# Altium PCB COEXPIX PCB.PcbDoc (part 1 of 2) (continued)
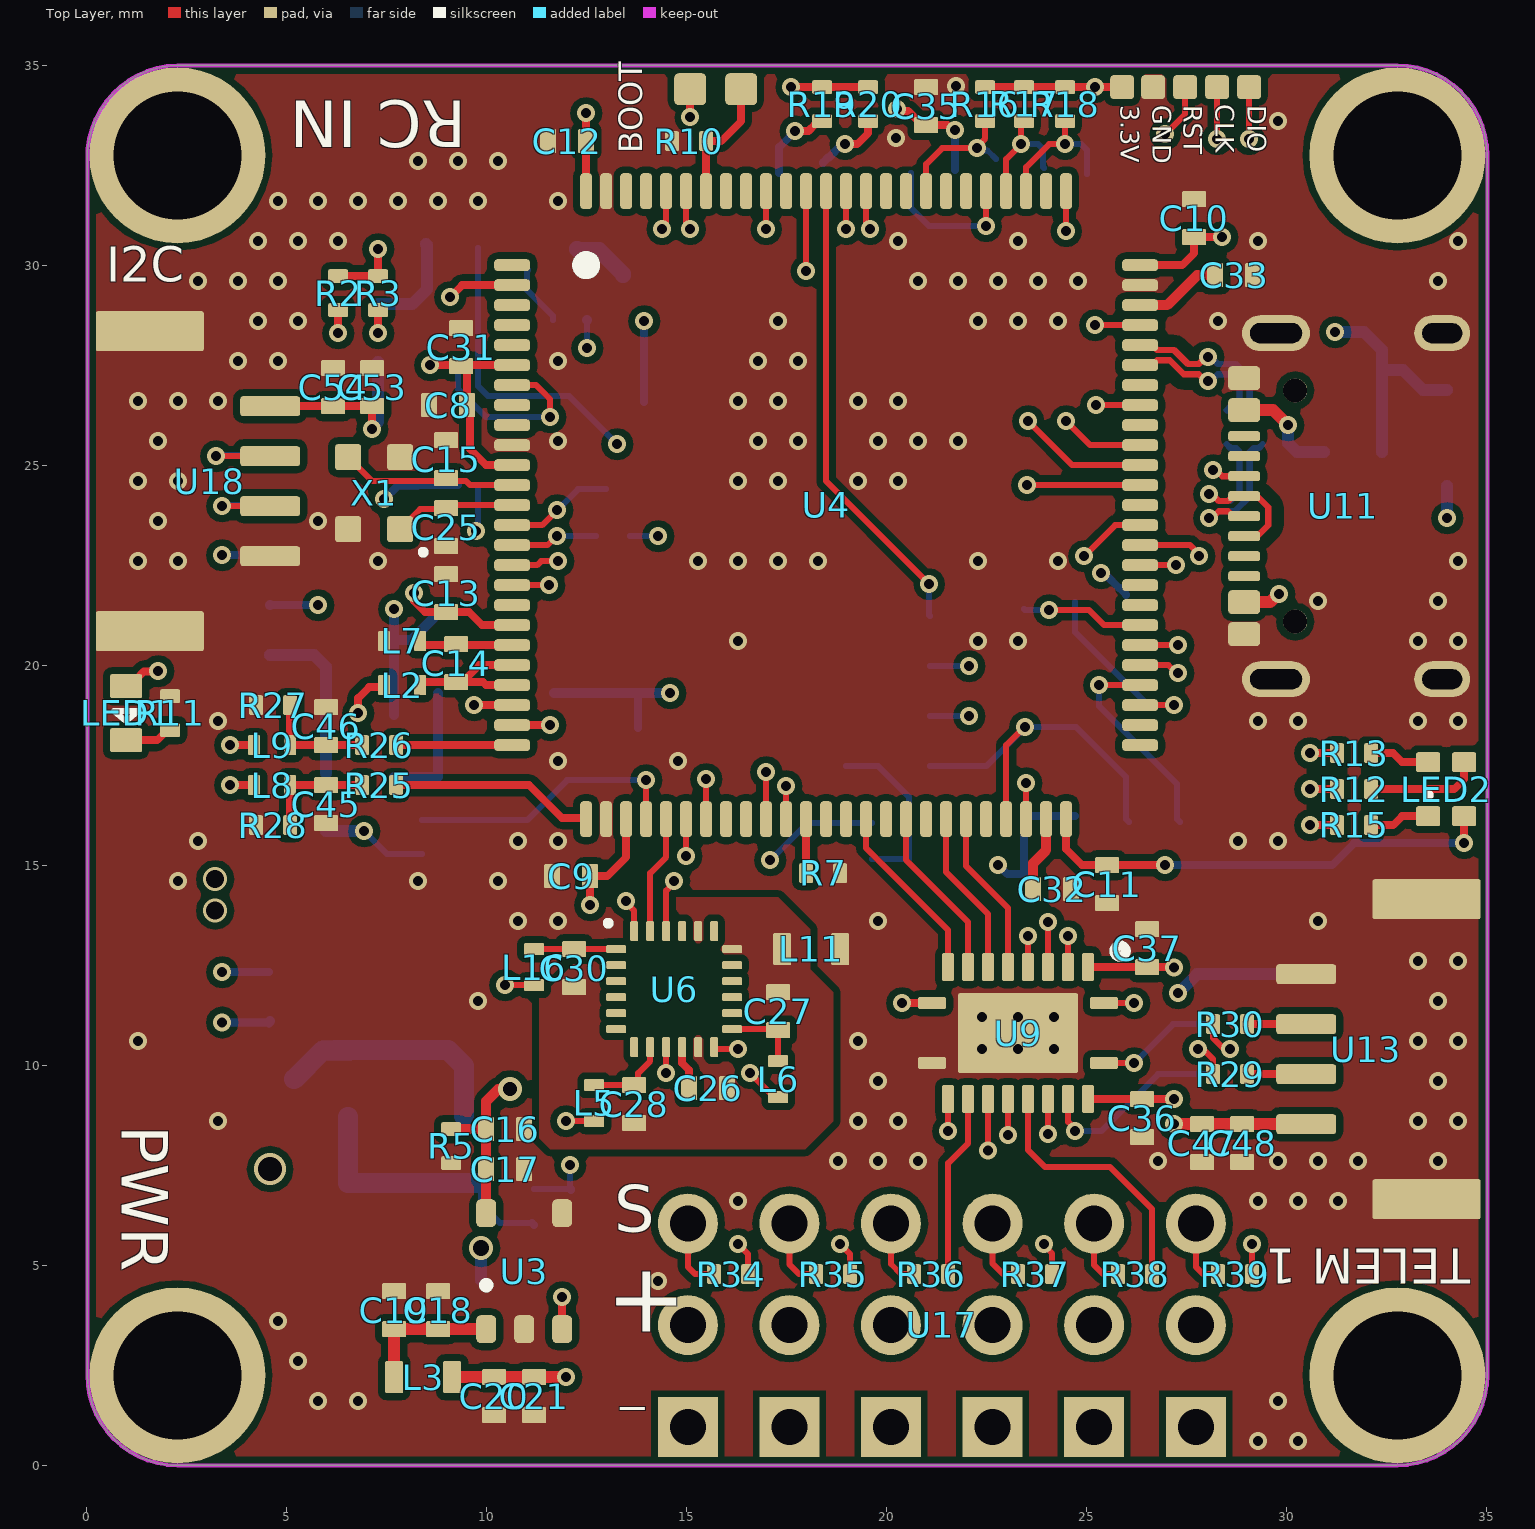
[diagram p0: Top Layer view]
## Design rules (kind name [scope] priority, off if disabled: settings)
Clearance DP [InNetClass('DP')] p1: gap=0.17 ignorepadtopadclearanceinfootprint=FALSE except(0: Arc-Hole Track-Hole SMDPad-Hole THPad-Hole Via-Hole Fill-Hole Poly-Hole Region-Hole Text-Hole; 0.09: Arc-Arc Arc-Track Arc-SMDPad Arc-THPad Track-Track Track-SMDPad Track-THPad SMDPad-SMDPad SMDPad-THPad THPad-THPad; 0.13: Arc-Via Track-Via SMDPad-Via THPad-Via Via-Via; 0.2: Arc-Text Track-Text SMDPad-Text THPad-Text Via-Text Fill-Text Poly-Text Region-Text Text-Text; 0.3: Arc-Fill Arc-Poly Arc-Region Track-Fill Track-Poly Track-Region)
Clearance [All] p2: gap=0.17 ignorepadtopadclearanceinfootprint=FALSE except(0: Arc-Hole Track-Hole SMDPad-Hole THPad-Hole Via-Hole Fill-Hole Poly-Hole Region-Hole Text-Hole; 0.09: Arc-Arc Arc-Track Arc-SMDPad Arc-THPad Track-Track Track-SMDPad Track-THPad SMDPad-SMDPad SMDPad-THPad THPad-THPad; 0.13: Arc-Via Track-Via SMDPad-Via THPad-Via Via-Via; 0.2: Arc-Text Track-Text SMDPad-Text THPad-Text Via-Text Fill-Text Poly-Text Region-Text Text-Text)
DiffPairsRouting [All] p1: maxlimit=0.254 minlimit=0.1 mostfreqgap=0.1 toplayer_minwidth=0.09 toplayer_maxwidth=0.16 toplayer_prefwidth=0.16 midlayer1_minwidth=0.09 midlayer1_maxwidth=0.16 midlayer1_prefwidth=0.16 midlayer2_minwidth=0.09 midlayer2_maxwidth=0.16 midlayer2_prefwidth=0.16 bottomlayer_minwidth=0.09 bottomlayer_maxwidth=0.16 bottomlayer_prefwidth=0.16 maxuncoupledlength=12.7
PlaneClearance [All] p1: clearance=0.17
PlaneConnect [All] p1: planeconnectstyle=Direct reliefexpansion=0.508 reliefentries=4 reliefconductorwidth=0.254 reliefairgap=0.254
PolygonConnect [All] p1: connectstyle=Direct reliefconductorwidth=0.254 reliefentries=4 polygonreliefangle="90 Angle" airgapwidth=0.254
RoutingVias [All] p1: holewidth=0.711 width=1.27 viastyle="Through Hole" minholewidth=0.2 minwidth=0.45 maxholewidth=0.711 maxwidth=1.27
SolderMaskExpansion [All] p1: expansion=0.07 istentingtop=FALSE
UnRoutedNet [All] p1: checkbadconnections=TRUE
Width [All] p1: maxlimit=2 minlimit=0.09 preferedwidth=0.2 minimp=50.000000 maximp=50.000000 favimp=50.000000
26 further rules are at their usual default settings.

## Classes and differential pairs
net class DP: USB_D_N USB_D_P
component class "COEXPIX connectors schematics": C38 C39 C40 C41 C42 C43 C44 C45 C46 C47 C48 C49 C50 C51 C52 C53 C54 D1 D2 L8 L9 L10 L12 L13 L15 L17 L18 R21 R22 R23 R24 R25 R26 R27 R28 R29 R30 R31 R32 R33 R34 R35 R36 R37 R38 R39 U11 U12 U13 U14 U15 U16 U17 U18
component class "COEXPIX schematics": C1 C2 C3 C4 C5 C6 C7 C8 C9 C10 C11 C12 C13 C14 C15 C16 C17 C18 C19 C20 C21 C22 C23 C24 C25 C26 C27 C28 C29 C30 C31 C32 C33 C34 C35 C36 C37 C? L1 L2 L3 L4 L5 L6 L7 L11 L14 L16 LED1 LED2 R1 R2 R3 R4 R5 R6 R7 R8 R9 R10 R11 R12 R13 R14 R15 R16 R17 R18 R19 R20 U1 U2 U3 U4 U5 U6 U7 U8 U9 U10 U? X1
differential pair USB_D: +USB_D_P -USB_D_N

## Components (designator, comment, footprint, x,y, rotation, side; value= is the part's Value field where it differs from the comment)
C1 "100nf" "Capasitor 0402"#1 23.925,14.775 r180 bottom
C2 "4.7uf" "Capasitor 0402"#1 13.8,19.775 r90 bottom
C3 "100nf" "Capasitor 0402"#1 12.8,19.775 r90 bottom
C4 "100nf" "Capasitor 0402"#1 9.275,18.2 r0 bottom
C5 "4.7uf" "Capasitor 0402"#1 9.275,17.2 r0 bottom
C6 "100nf" "Capasitor 0402"#1 7.225,19.6 r180 bottom
C7 "4.7uf" "Capasitor 0402"#1 7.225,20.625 r180 bottom
C8 "100nf" "Capasitor 0402"#2 9.05,26.5 r0 top
C9 "100nf" "Capasitor 0402"#2 12.125,14.725 r0 top
C10 "100nf" "Capasitor 0402"#2 27.7,31.175 r270 top
C11 "100nf" "Capasitor 0402"#2 25.525,14.525 r90 top
C12 "100nf" "Capasitor 0402"#2 12.025,33.1 r0 top
C13 "100nf" "Capasitor 0402"#2 9,21.8 r270 top
C14 "100nf" "Capasitor 0402"#2 9.25,20.05 r90 top
C15 "12pf" "Capasitor 0402"#2 9,25.15 r270 top
C16 "4.7uf" "Capasitor 0402"#2 10.475,8.4 r0 top
C17 "100nf" "Capasitor 0402"#2 10.475,7.4 r0 top
C18 "100nf" "Capasitor 0402"#2 8.8,3.875 r90 top
C19 "4.7uf" "Capasitor 0402"#2 7.7,3.875 r90 top
C20 "100nf" "Capasitor 0402"#2 10.2,1.725 r270 top
C21 "4.7uf" "Capasitor 0402"#2 11.2,1.725 r270 top
C22 "100nf" "Capasitor 0402"#1 21.05,16.2 r180 bottom
C23 "4.7uf" "Capasitor 0402"#1 21.05,15.15 r180 bottom
C24 "100nf" "Capasitor 0402"#1 18.625,15.575 r90 bottom
C25 "12pf" "Capasitor 0402"#2 9,23.45 r270 top
C26 "100nf" "Capasitor 0402"#2 15.55,9.425 r180 top
C27 "100nf" "Capasitor 0402"#2 17.3,11.35 r270 top
C28 "100nf" "Capasitor 0402"#2 13.7,9.025 r90 top
C29 "100nf" "Capasitor 0402"#1 14.425,27.825 r180 bottom
C30 "100nf" "Capasitor 0402"#2 12.2,12.425 r90 top
C31 "100nf" "Capasitor 0402"#2 9.375,27.95 r90 top
C32 "4.7uf" "Capasitor 0402"#2 24.15,14.4 r0 top
C33 "4.7uf" "Capasitor 0402"#2 28.7,29.75 r0 top
C34 "100nf" "Capasitor 0402"#1 8.275,24.975 r270 bottom
C35 "100nf" "Capasitor 0402"#2 21,33.975 r270 top
C36 "100nf" "Capasitor 0402"#2 26.4,8.675 r270 top
C37 "100nf" "Capasitor 0402"#2 26.525,12.925 r90 top
C38 "4.7uf" "Capasitor 0402"#1 31.925,26.425 r180 bottom
C39 "47uf" "Capasitor 0603" 7.5,11.125 r270 bottom
C40 "47uf" "Capasitor 0603" 8.4,11.125 r270 bottom
C41 "47uf" "Capasitor 0603" 6.6,11.125 r270 bottom
C42 "47uf" "Capasitor 0603" 6.575,6.3 r90 bottom
C43 "47uf" "Capasitor 0603" 8.375,6.3 r90 bottom
C44 "47uf" "Capasitor 0603" 7.475,6.3 r90 bottom
C45 "100nf" "Capasitor 0402"#2 6,16.525 r270 top
C46 "100nf" "Capasitor 0402"#2 6,18.475 r90 top
C47 "4.7uf" "Capasitor 0402"#2 27.9,8.05 r90 top
C48 "100nf" "Capasitor 0402"#2 28.9,8.05 r90 top
C49 "4.7uf" "Capasitor 0402"#1 5.525,18.25 r0 bottom
C50 "100nf" "Capasitor 0402"#1 5.525,19.275 r0 bottom
C51 "4.7uf" "Capasitor 0402"#1 28,12.75 r270 bottom
C52 "100nf" "Capasitor 0402"#1 29,12.75 r270 bottom
C53 "4.7uf" "Capasitor 0402"#2 7.15,26.95 r270 top
C54 "100nf" "Capasitor 0402"#2 6.175,26.95 r270 top
D1 "10V 3A" SOD-323F 34.025,25.675 r0 bottom
D2 "10V 3A" SOD-323F 9.875,5.85 r0 bottom
L1 "BLM18HE152SN1D" "Ferrite bead 0603" 7.7,17.925 r90 bottom value="1.5 kOhm @100MHz"
L2 "BLM15HD182SN1D" "Ferrite bead 0402"#1 7.9,19.5 r180 top value="1.8 kOhm @100MHz"
L3 "BLM18HE152SN1D" "Ferrite bead 0603" 8.425,2.2 r0 top value="1.5 kOhm @100MHz"
L4 "BLM15HD182SN1D" "Ferrite bead 0402"#2 19.65,15.6 r270 bottom value="1.8 kOhm @100MHz"
L5 "BLM15HD182SN1D" "Ferrite bead 0402"#1 12.7,9.05 r90 top value="1.8 kOhm @100MHz"
L6 "BLM15HD182SN1D" "Ferrite bead 0402"#1 17.3,9.65 r90 top value="1.8 kOhm @100MHz"
L7 "BLM15HD182SN1D" "Ferrite bead 0402"#1 7.9,20.6 r180 top value="1.8 kOhm @100MHz"
L8 "BLM15HD182SN1D" "Ferrite bead 0402"#1 4.65,17 r0 top value="1.8 kOhm @100MHz"
L9 "BLM15HD182SN1D" "Ferrite bead 0402"#1 4.65,18 r0 top value="1.8 kOhm @100MHz"
L10 "BLM18HE152SN1D" "Ferrite bead 0603" 6,16.575 r90 bottom value="1.5 kOhm @100MHz"
L11 "BLM18HE152SN1D" "Ferrite bead 0603" 18.125,12.9 r0 top value="1.5 kOhm @100MHz"
L12 "FBMH3216HM501NTV" "FERRITE BEAD 1206" 8,8.7 r180 bottom
L13 "FBMH3216HM501NTV" "FERRITE BEAD 1206" 8,13.5 r180 bottom
L14 "BLM18HE152SN1D" "Ferrite bead 0603" 17.425,20.775 r90 bottom value="1.5 kOhm @100MHz"
L15 "BLM18HE152SN1D" "Ferrite bead 0603" 31.675,25.325 r180 bottom value="1.5 kOhm @100MHz"
L16 "BLM15HD182SN1D" "Ferrite bead 0402"#1 11.2,12.45 r90 top value="1.8 kOhm @100MHz"
L17 "BLM18HE152SN1D" "Ferrite bead 0603" 7.3,28.3 r90 bottom value="1.5 kOhm @100MHz"
L18 "BLM18HE152SN1D" "Ferrite bead 0603" 14.2,29.525 r180 bottom value="1.5 kOhm @100MHz"
LED1 "" "Led 0603" 1,18.8 r90 top
LED2 "19-237A/BHR6GHC-A01/2T" "Everlight RGB LED" 34,16.9 r270 top
R1 "220" "Resistor 0402" 13.375,18.425 r180 bottom
R2 "1.8k" "Resistor 0402" 6.3,29.3 r270 top
R3 "1.8k" "Resistor 0402" 7.3,29.3 r270 top
R4 "10k" "Resistor 0402" 11.2,6.475 r90 bottom
R5 "220" "Resistor 0402" 9.125,7.975 r270 top
R6 "10k" "Resistor 0402" 12.1,6.475 r270 bottom
R7 "10k" "Resistor 0402" 18.425,14.8 r180 top
R8 "10k" "Resistor 0402" 8.4,15.7 r90 bottom
R9 "10k" "Resistor 0402" 9.4,15.7 r270 bottom
R10 "10k" "Resistor 0402" 15.075,33.1 r180 top
R11 "220" "Resistor 0402" 2.1,18.8 r270 top
R12 "220" "Resistor 0402" 31.7,16.9 r0 top
R13 "220" "Resistor 0402" 31.7,17.8 r0 top
R14 "1.8k" "Resistor 0402" 10.225,28.625 r180 bottom
R15 "220" "Resistor 0402" 31.7,16 r0 top
R16 "100k" "Resistor 0402" 22.475,34.025 r270 top
R17 "100k" "Resistor 0402" 23.45,34.025 r270 top
R18 "100k" "Resistor 0402" 24.475,34.025 r270 top
R19 "100k" "Resistor 0402" 18.4,34.025 r270 top
R20 "100k" "Resistor 0402" 19.55,34.025 r270 top
R21 "220" "Resistor 0402" 31.975,27.375 r0 bottom
R22 "10k" "Resistor 0402" 13.175,23.225 r0 bottom
R23 "22" "Resistor 0402" 29.414,25.95 r90 bottom
R24 "22" "Resistor 0402" 28.514,25.95 r90 bottom
R25 "10k" "Resistor 0402" 7.325,17 r0 top
R26 "10k" "Resistor 0402" 7.325,18 r180 top
R27 "1m" "Resistor 0402" 4.675,19 r180 top
R28 "1m" "Resistor 0402" 4.675,16 r180 top
R29 "220" "Resistor 0402" 28.6,9.775 r0 top
R30 "220" "Resistor 0402" 28.6,11.025 r0 top
R31 "10k" "Resistor 0402" 12.1,28.625 r180 bottom
R32 "220" "Resistor 0402" 28.6,11.025 r0 bottom
R33 "220" "Resistor 0402" 28.6,9.775 r0 bottom
R34 "220" "Resistor 0402" 16.125,4.775 r0 top
R35 "220" "Resistor 0402" 18.675,4.775 r0 top
R36 "220" "Resistor 0402" 21.125,4.775 r0 top
R37 "220" "Resistor 0402" 23.725,4.775 r0 top
R38 "220" "Resistor 0402" 26.225,4.775 r0 top
R39 "220" "Resistor 0402" 28.725,4.775 r180 top
U1 "LP5907" SOT23-5 10.25,20.25 r180 bottom value=3.3v
U2 "FM25V02A-GTR" SOIC-8 25.36,18.9 r270 bottom
U3 "LP5907" SOT23-5 10.95,4.85 r270 top locked value=3.3v
U4 "STM32F427VIT6" "LQFP100 0.5" 18.5,24 r0 top locked
U5 "MS5607-02BA" MS5611 20.05,19.35 r0 bottom
U6 "MPU-9250" "QFN24 3x3mm (0.4mm)" 14.7,11.9 r0 top
U7 "SGM809-SXN3L/TR" "SOT23-3 LP" 13.945,25.5 r270 bottom locked
U8 "SN74LVC2G86DCUR" "VSSOP8 0.5mm" 10.05,26 r270 bottom
U9 "TXS0108ERGYR" "VQFN20 4.50x3.50mm (0.5mm)" 23.298,10.802 r270 top
U10 "TF-110" "MicroSD (2)" 21.8,29.025 r0 bottom locked
U11 "C167321" "USB TYPE C" 32.525,23.975 r90 top locked
U12 "SM06B-GHS-TB(LF)(SN)" "JST-GH 6 PIN" 2.6,11.7 r270 bottom locked
U13 "SM04B-GHS-TB(LF)(SN)" "JST-GH 4 pin" 32.3,10.4 r270 top locked
U14 "SM06B-GHS-TB(LF)(SN)" "JST-GH 6 PIN" 2.625,23.375 r270 bottom locked
U15 "SM04B-GHS-TB(LF)(SN)" "JST-GH 4 pin" 10.4,32.2 r180 bottom locked
U16 "SM04B-GHS-TB(LF)(SN)" "JST-GH 4 pin" 32.3,10.4 r90 bottom
U17 "2.54 pins" "3x6 PX4 servo array" 21.394,3.501 r0 top locked
U18 "SM04B-GHS-TB(LF)(SN)" "JST-GH 4 pin" 2.8,24.6 r90 top locked
X1 "7E24000E12UCG" SMD-2520_4P 7.2,24.3 r180 top value="24 MHZ"

## Footprints (in the part's own frame and the unit in brackets; to place one, negate y for a bottom-side part, rotate by r counter-clockwise, add the part's x,y. Pads: shape width x height; smd on the part's side, far side on the other; paste and mask are expansions set on the pad)
"3x6 PX4 servo array" [mm]
  round 1.5 hole 0.9: 1(-6.354,2.539) 2(-3.814,2.539) 3(-1.274,2.539) 4(1.266,2.539) 5(3.806,2.539) 6(6.346,2.539) 7(-6.354,-0.001) 8(-3.814,-0.001) 9(-1.274,-0.001) 10(1.266,-0.001) 11(3.806,-0.001) 12(6.346,-0.001)
  rect 1.5x1.5 hole 0.9: 13(-6.354,-2.541) 14(-3.814,-2.541) 15(-1.274,-2.541) 16(1.266,-2.541) 17(3.806,-2.541) 18(6.346,-2.541)
  body extent -7.62,-12.45 7.62,2.85, height 7.81
"Capasitor 0402"#1 [mm]
  rrect15% 0.4x0.6 smd mask+0.102: 1(-0.475,0)
  rrect15% 0.4x0.6 smd mask+0.08: 2(0.475,0)
  body extent -0.5,-0.25 0.5,0.25, height 0.45
"Capasitor 0402"#2 [mm]
  rrect15% 0.4x0.6 smd mask+0.08: 1(-0.475,0) 2(0.475,0)
  body extent -0.5,-0.25 0.5,0.25, height 0.45
"Capasitor 0603" [mm]
  rrect15% 0.5x0.9 smd: 1(-0.75,0) 2(0.75,0)
  body extent -0.8,-0.4 0.8,0.4, height 0.86
"Everlight RGB LED" [mm]
  rrect20% 0.5x0.6 smd: 1(0.675,-0.45) 2(-0.675,-0.45) 3(0.675,0.45) 4(-0.675,0.45)
  silkscreen extent 0.11,-0.49 0.19,-0.41, body extent -0.8,-0.75 0.8,0.75, height 0.34
"Ferrite bead 0402"#1 [mm]
  rrect15% 0.3x0.5 smd mask+0.08: 1(-0.45,0) 2(0.45,0)
  body extent -0.5,-0.25 0.5,0.25, height 0.5
"Ferrite bead 0402"#2 [mm]
  rrect15% 0.3x0.5 smd mask+0.102: 1(-0.45,0)
  rrect15% 0.3x0.5 smd mask+0.08: 2(0.45,0)
  body extent -0.5,-0.25 0.5,0.25, height 0.5
"Ferrite bead 0603" [mm]
  rrect15% 0.45x0.8 smd: 1(-0.725,0) 2(0.725,0)
  body extent -0.8,-0.4 0.8,0.4, height 0.8
"FERRITE BEAD 1206" [mm]
  rrect15% 0.8x1.7 smd: 1(-1.45,0) 2(1.45,0)
  body extent -1.6,-0.8 1.6,0.8, height 1.1
"JST-GH 4 pin" [mm]
  rrect30% 0.5x1.5 smd: 1(1.874,-1.8) 2(0.625,-1.8) 3(-0.625,-1.8) 4(-1.875,-1.8)
  rrect10% 1x2.7 smd: 5(-3.75,1.209) 5(3.75,1.209)
  body extent -4.13,-2.35 4.12,2.5, height 4.3
"JST-GH 6 PIN" [mm]
  rrect30% 0.5x1.5 smd: 1(3.125,-1.975) 2(1.875,-1.975) 3(0.625,-1.975) 4(-0.625,-1.975) 5(-1.875,-1.975) 6(-3.125,-1.975)
  rrect10% 1x2.7 smd: 7(-5,1.034) 7(5,1.034)
  body extent -5.37,-2.5 5.38,2.35, height 4.25
"Led 0603" [mm]
  rrect15% 0.6x0.8 smd: 1(-0.675,0) 2(0.675,0)
  silkscreen extent -0.2,-0.3 0.05,0.3, body extent -0.8,-0.4 0.8,0.4, height 0.35
"LQFP100 0.5" [mm]
  rrect60% 0.9x0.3 smd: 1(-7.85,6) 2(-7.85,5.5) 3(-7.85,5) 4(-7.85,4.5) 5(-7.85,4) 6(-7.85,3.5) 7(-7.85,3) 8(-7.85,2.5) 9(-7.85,2) 10(-7.85,1.5) 11(-7.85,1) 12(-7.85,0.5) 13(-7.85,0) 14(-7.85,-0.5) 15(-7.85,-1) 16(-7.85,-1.5) 17(-7.85,-2) 18(-7.85,-2.5) 19(-7.85,-3) 20(-7.85,-3.5) 21(-7.85,-4) 22(-7.85,-4.5) 23(-7.85,-5) 24(-7.85,-5.5) 25(-7.85,-6) 51(7.85,-6) 52(7.85,-5.5) 53(7.85,-5) 54(7.85,-4.5) 55(7.85,-4) 56(7.85,-3.5) 57(7.85,-3) 58(7.85,-2.5) 59(7.85,-2) 60(7.85,-1.5) 61(7.85,-1) 62(7.85,-0.5) 63(7.85,0) 64(7.85,0.5) 65(7.85,1) 66(7.85,1.5) 67(7.85,2) 68(7.85,2.5) 69(7.85,3) 70(7.85,3.5) 71(7.85,4) 72(7.85,4.5) 73(7.85,5) 74(7.85,5.5) 75(7.85,6)
  rrect60% 0.3x0.9 smd: 26(-6,-7.85) 27(-5.5,-7.85) 28(-5,-7.85) 29(-4.5,-7.85) 30(-4,-7.85) 31(-3.5,-7.85) 32(-3,-7.85) 33(-2.5,-7.85) 34(-2,-7.85) 35(-1.5,-7.85) 36(-1,-7.85) 37(-0.5,-7.85) 38(0,-7.85) 39(0.5,-7.85) 40(1,-7.85) 41(1.5,-7.85) 42(2,-7.85) 43(2.5,-7.85) 44(3,-7.85) 45(3.5,-7.85) 46(4,-7.85) 47(4.5,-7.85) 48(5,-7.85) 49(5.5,-7.85) 50(6,-7.85) 76(6,7.85) 77(5.5,7.85) 78(5,7.85) 79(4.5,7.85) 80(4,7.85) 81(3.5,7.85) 82(3,7.85) 83(2.5,7.85) 84(2,7.85) 85(1.5,7.85) 86(1,7.85) 87(0.5,7.85) 88(0,7.85) 89(-0.5,7.85) 90(-1,7.85) 91(-1.5,7.85) 92(-2,7.85) 93(-2.5,7.85) 94(-3,7.85) 95(-3.5,7.85) 96(-4,7.85) 97(-4.5,7.85) 98(-5,7.85) 99(-5.5,7.85) 100(-6,7.85)
  silkscreen extent -6.1,5.9 -5.9,6.1, body extent -8.07,-8.07 8.07,8.07, height 1.62
"MicroSD (2)" [mm]
  rrect50% 0.45x1 smd: 1(3.225,-3.2) 2(2.125,-3.2) 3(1.025,-3.2) 4(-0.075,-3.2) 5(-1.175,-3.2) 6(-2.275,-3.2) 7(-3.375,-3.2) 8(-4.475,-3.2)
  rrect50% 0.35x1 smd: 9(4.225,-3.2)
  rrect30% 0.8x0.8 smd: 10(5.475,2.925)
  rrect50% 0.5x2.1 smd: 11(-5.675,0.675)
  rrect20% 0.7x0.8 smd: 11(-5.425,5.3) 11(5.425,5.3)
  rrect20% 1.1x1 smd: 11(-5.275,-5.225)
  rrect20% 1.1x0.8 smd: 11(-3.9,5.3) 11(3,5.3)
  rrect20% 1.3x1 smd: 11(5.15,-5.225)
  rrect50% 0.5x1 smd: 11(5.675,0.15)
  body extent -5.7,-5.65 5.8,5.6, height 1.3
MS5611 [mm] "ms5611/5607"
  rrect10% 0.95x0.55 smd: 1(-1.05,1.875) 2(-1.05,0.625) 3(-1.05,-0.625) 4(-1.05,-1.875) 5(1.05,-1.875) 6(1.05,-0.625) 7(1.05,0.625) 8(1.05,1.875)
  silkscreen extent -0.32,1.78 -0.13,1.97, body extent -1.5,-2.5 1.5,2.5, height 1.03
"QFN24 3x3mm (0.4mm)" [mm]
  rrect35% 0.5x0.2 smd mask+0.07: 1(-1.45,1) 2(-1.45,0.6) 3(-1.45,0.2) 4(-1.45,-0.2) 5(-1.45,-0.6) 6(-1.45,-1) 13(1.45,-1) 14(1.45,-0.6) 15(1.45,-0.2) 16(1.45,0.2) 17(1.45,0.6) 18(1.45,1)
  rrect35% 0.2x0.5 smd mask+0.07: 7(-1,-1.45) 8(-0.6,-1.45) 9(-0.2,-1.45) 10(0.2,-1.45) 11(0.6,-1.45) 12(1,-1.45) 19(1,1.45) 20(0.6,1.45) 21(0.2,1.45) 22(-0.2,1.45) 23(-0.6,1.45) 24(-1,1.45)
  silkscreen extent -1.69,1.61 -1.61,1.69, body extent -1.51,-1.51 1.51,1.51, height 1.05
"Resistor 0402" [mm]
  rrect25% 0.35x0.5 smd: 1(-0.425,0) 2(0.425,0)
  body extent -0.5,-0.25 0.5,0.25, height 0.35
SMD-2520_4P [mm]
  rrect20% 0.65x0.65 smd: 1(-0.65,0.9) 2(-0.65,-0.9) 3(0.65,-0.9) 4(0.65,0.9)
  silkscreen extent -1.26,1.44 -1.19,1.51, body extent -1,-1.25 1,1.25, height 0.69
SOD-323F [mm]
  rrect30% 0.45x0.6 smd: 1(0,1.2) 2(0,-1.2)
  silkscreen extent -0.32,-0.17 0.33,0.18, body extent -0.68,-1.35 0.67,1.35, height 0.79
SOIC-8 [mm]
  rrect20% 0.9x0.5 smd: 1(-2.675,1.905) 2(-2.675,0.635) 3(-2.675,-0.635) 4(-2.675,-1.905) 5(2.675,-1.905) 6(2.675,-0.635) 7(2.675,0.635) 8(2.675,1.905)
  silkscreen extent -1.8,1.75 -1.5,2.06, body extent -2.89,-2.45 2.89,2.45, height 1.45
"SOT23-3 LP" [mm]
  rrect30% 0.75x0.55 smd mask+0.07: 1(1.1,-0.955) 2(1.1,0.95) 3(-1.1,0)
  silkscreen extent 0.1,-1.08 0.35,-0.83, body extent -1.25,-1.5 1.25,1.5, height 1.09
SOT23-5 [mm]
  rrect50% 0.7x0.5 smd mask+0.06: 1(1.45,-0.95) 2(1.45,0) 3(1.45,0.95) 4(-1.45,0.95) 5(-1.45,-0.95)
  silkscreen extent 0.27,-1.03 0.43,-0.87, body extent -1.6,-1.5 1.6,1.5, height 0.91
"USB TYPE C" [mm] "2.0 PINS ARRAY"
  oval 0.9x1.4 hole 0.5 slot 1 at 90 deg: 1(-4.325,-1.375) 1(4.325,-1.375)
  oval 0.9x1.4 on Top Paste: 1(-4.325,-1.375) 1(4.325,-1.375)
  oval 0.9x1.4 on Bottom Paste: 1(-4.325,-1.375) 1(4.325,-1.375)
  oval 0.9x1.7 hole 0.5 slot 1.3 at 90 deg: 1(-4.324,2.779) 1(4.326,2.779)
  oval 0.9x1.7 on Top Paste: 1(-4.324,2.779) 1(4.326,2.779)
  oval 0.9x1.7 on Bottom Paste: 1(-4.324,2.779) 1(4.326,2.779)
  rrect50% 0.4x0.8 smd: A1(-3.3,3.575) A4(-2.5,3.575) A9(2.5,3.575) A12(3.3,3.575) B1(3.1,3.575) B4(2.3,3.575) B9(-2.3,3.575) B12(-3.1,3.575)
  rrect50% 0.25x0.8 smd: A5(-1.25,3.575) A6(-0.25,3.575) A7(0.25,3.575) A8(-1.75,3.575) B5(1.75,3.575) B6(0.75,3.575) B7(-0.75,3.575) B8(1.25,3.575)
  round 0.6 hole 0.6 unplated: ""(-2.884,2.299) ""(2.896,2.299)
  body extent -4.48,-3.98 4.48,3.77, height 3.26
"VQFN20 4.50x3.50mm (0.5mm)" [mm]
  rrect30% 0.3x0.7 smd: 1(-0.75,2.15) 10(-0.75,-2.15) 11(0.75,-2.15) 20(0.75,2.15)
  rrect30% 0.7x0.3 smd: 2(-1.65,1.75) 3(-1.65,1.25) 4(-1.65,0.75) 5(-1.65,0.25) 6(-1.65,-0.25) 7(-1.65,-0.75) 8(-1.65,-1.25) 9(-1.65,-1.75) 12(1.65,-1.75) 13(1.65,-1.25) 14(1.65,-0.75) 15(1.65,-0.25) 16(1.65,0.25) 17(1.65,0.75) 18(1.65,1.25) 19(1.65,1.75)
  rrect5% 2x3 smd paste-5: 21(0,0)
  rrect30% 0.8x0.8 on Top Paste: SOLDERPASTE(-0.475,0.95) SOLDERPASTE(-0.475,0) SOLDERPASTE(-0.475,-0.95) SOLDERPASTE(0.475,0.95) SOLDERPASTE(0.475,0) SOLDERPASTE(0.475,-0.95)
  silkscreen extent -2.19,2.41 -1.91,2.69, body extent -1.81,-2.31 1.81,2.31, height 1.05
"VSSOP8 0.5mm" [mm] "0.5mm pitch"
  rrect20% 0.6x0.25 smd: 1(-1.5,0.75) 2(-1.5,0.25) 3(-1.5,-0.25) 4(-1.5,-0.75) 5(1.5,-0.75) 6(1.5,-0.25) 7(1.5,0.25) 8(1.5,0.75)
  silkscreen extent -0.85,0.7 -0.75,0.8, body extent -1.6,-1.05 1.6,1.05, height 0.9

## Part data
C1 C3 C4 C6 C8 C9 C10 C11 C12 C13 C14 C17 C18 C20 C22 C24 C26 C27 C28 C29 C30 C31 C34 C35 C36 C37 C45 C46 C48 C50 C52 C54: library part "Capacitor MLCC", "Multilayer Ceramic Capacitors MLCC - SMD/SMT 100nF 16V 0402", Component package=0402, Manufacturer=YAGEO, Part number=CC0402KRX7R7BB104, HelpURL=https://lcsc.com/product-detail/Multilayer-Ceramic-Capacitors-MLCC-SMD-SMT_100nF-104-10-16V_C60474.html
C2 C5 C7 C16 C19 C21 C23 C32 C33 C38 C47 C49 C51 C53: library part "Capacitor MLCC", "4.7uF ±20% 6.3V X5R 0402 Multilayer Ceramic Capacitor", Component package=0402, Manufacturer="Taiyo Yuden", Part number=JMK105BBJ475MV-F, HelpURL=https://lcsc.com/product-detail/Multilayer-Ceramic-Capacitors-MLCC-SMD-SMT_TAIYO-YUDEN_JMK105BBJ475MV-F_4-7uF-475-20-6-3V_C87147.html
C15 C25: library part "Capacitor MLCC", "Multilayer Ceramic Capacitors MLCC - SMD/SMT 12pF 50V 0402", Component package=0402, Manufacturer=YAGEO, Part number=CC0402JRNPO9BN120, HelpURL=https://lcsc.com/product-detail/Multilayer-Ceramic-Capacitors-MLCC-SMD-SMT_12pF-120-5-50V_C106201.html
C39 C40 C41 C42 C43 C44: library part "Capacitor MLCC", "Multilayer Ceramic Capacitors MLCC - SMD/SMT 47uF 6.3V 0603", Component package=0603, Manufacturer=Murata, Part number=GRM188R60J476ME15D, HelpURL=https://lcsc.com/product-detail/Multilayer-Ceramic-Capacitors-MLCC-SMD-SMT_MuRata_GRM188R60J476ME15D_47uF-476-20-6-3V_C140782.html
D1 D2: library part "Schottky barrier diode", "10V 3A 580mV @ 1A SOD-323 Schottky Barrier Diode", Component package=SOD-323, Manufacturer=STMicroelectronics, Part number=BAT60JFILM, HelpURL=https://lcsc.com/product-detail/Schottky-Barrier-Diodes-SBD_STMicroelectronics_BAT60JFILM_BAT60JFILM_C133103.html
L1 L3 L11 L14: library part "FB / Inductor", "Beads 0603", Component package=0603, Manufacturer=Murata, HelpURL=https://lcsc.com/product-detail/Ferrite-Beads-And-Chips_muRata_BLM18HE152SN1D_1-5KR-25-at100MHz_C82155.html, Part number=BLM18HE152SN1D
L2 L4 L5 L6 L7 L16: library part "FB / Inductor", "1.8kΩ @ 100MHz 200mA 1 2.2Ω 0402 Ferrite Bead", Component package=0402, Manufacturer="Murata Electronics", HelpURL=https://lcsc.com/product-detail/Ferrite-Beads-And-Chips_MuRata_BLM15HD182SN1D_1-8KR-at100MHz_C76888.html, Part number=BLM15HD182SN1D
L8 L9: library part "FB / Inductor", "Beads 0402", Component package=0402, Manufacturer="Murata Electronics", HelpURL=https://lcsc.com/product-detail/Ferrite-Beads-And-Chips_MuRata_BLM15HD182SN1D_1-8KR-at100MHz_C76888.html, Part number=BLM15HD182SN1D
L10 L15 L17 L18: library part "FB / Inductor", "1.5kΩ @ 100MHz 500mA 1 500mΩ 0603 Ferrite Bead", Component package=0603, Manufacturer=Murata, HelpURL=https://lcsc.com/product-detail/Ferrite-Beads-And-Chips_muRata_BLM18HE152SN1D_1-5KR-25-at100MHz_C82155.html, Part number=BLM18HE152SN1D
L12 L13: library part "FB / Inductor", "500Ω @ 100MHz 2A 1 70mΩ 1206 Ferrite Bead", Component package=1206, Manufacturer="Taiyo Yuden", HelpURL=https://lcsc.com/product-detail/Ferrite-Beads_Taiyo-Yuden-FBMH3216HM501NTV_C515371.html, Part number=FBMH3216HM501NTV
LED1: library part LED, "Green 520~535nm 0603 Light Emitting Diode", Component package=0603, Manufacturer="Everlight Elec", Part number=19-217/GHC-YR1S2/3T, HelpURL=https://lcsc.com/product-detail/Light-Emitting-Diodes-LED_0603-Green-light_C72043.html
LED2: library part "Everlight 19-237A", "RGB614~628nmRed,518~528nmGreen,465~475nmBlue SMD,1.6x1.6mm Light Emitting Diode", Component package=SMD,1.6x1.6mm, Manufacturer="Everlight Elec", HelpURL=https://lcsc.com/product-detail/Light-Emitting-Diodes-LED_19-237A-BHR6GHC-A01-2T-RGB_C114830.html, Part number=19-237A/BHR6GHC-A01/2T
R1 R5 R11 R12 R13 R15: library part Resistor, "Chip Resistor - Surface Mount 220Ohms ±1% 1/16W 0402", Component package=0402, Manufacturer="Uniroyal Elec", Part number=0402WGF2200TCE, HelpURL=https://lcsc.com/product-detail/Chip-Resistor-Surface-Mount_Uniroyal-Elec-0402WGF2200TCE_C25091.html
R2 R3 R14: library part Resistor, "Chip Resistor - Surface Mount 1.8KOhms ±1% 1/16W 0402", Component package=0402, Manufacturer="Uniroyal Elec", Part number=0402WGF1801TCE, HelpURL=https://lcsc.com/product-detail/Chip-Resistor-Surface-Mount_Uniroyal-Elec-0402WGF1801TCE_C25871.html
R4 R6 R7 R8 R9 R10 R22 R25 R26 R31: library part Resistor, "Chip Resistor - Surface Mount 10KOhms ±1% 1/16W 0402", Component package=0402, Manufacturer=YAGEO, Part number=RC0402FR-0710KL, HelpURL=https://lcsc.com/product-detail/Chip-Resistor-Surface-Mount_10KR-1002-1_C60490.html
R16 R17 R18 R19 R20: library part Resistor, "Chip Resistor - Surface Mount 100KOhms ±1% 1/16W 0402", Component package=0402, Manufacturer=YAGEO, Part number=RC0402FR-07100KL, HelpURL=https://lcsc.com/product-detail/Chip-Resistor-Surface-Mount_100KR-1003-1_C60491.html
R21 R29 R30 R32 R33 R34 R35 R36 R37 R38 R39: library part Resistor, "Chip Resistor - Surface Mount 220Ohms ±1% 1/16W 040", Component package=0402, Manufacturer="Uniroyal Elec", Part number=0402WGF2200TCE, HelpURL=https://lcsc.com/product-detail/Chip-Resistor-Surface-Mount_Uniroyal-Elec-0402WGF2200TCE_C25091.html
R23 R24: library part Resistor, "Chip Resistor - Surface Mount 22Ohms ±1% 1/16W 0402", Component package=0402, Manufacturer=YAGEO, Part number=RC0402FR-0722RL, HelpURL=https://lcsc.com/product-detail/Chip-Resistor-Surface-Mount_22R-22R0-1_C114765.html
R27 R28: library part Resistor, "1M ±1% 1/16W ±100ppm/°C 0402 Chip Resistor", Component package=0402, Manufacturer=YAGEO, Part number=RC0402FR-071ML, HelpURL=https://lcsc.com/product-detail/Chip-Resistor-Surface-Mount_1MR-1004-1_C138033.html
U1 U3: "Linear Voltage Regulators SOT-23-5", Component package=SOT23-5, Manufacturer="Texas Instruments", HelpURL=https://lcsc.com/product-detail/Linear-Voltage-Regulators_TI_LP5907MFX-3-3-NOPB_LP5907MFX-3-3-NOPB_C80670.html, Part number=LP5907
U2: library part FM25V02A, "FRAM FRAM 256Kb (32K x 8) SPI SOIC-8_150mil", Component package=SOIC8, Manufacturer="Cypress Semicon", HelpURL=https://lcsc.com/product-detail/FRAM_CYPRESS_FM25V02A-GTR_FM25V02A-GTR_C66029.html, Part number=FM25V02A-GTR
U4: "ARM® Cortex®-M4 STM32F4 Microcontroller IC 32-Bit 180MHz 2MB (2M x 8) FLASH 100-LQFP (14x14)", Component package=LQFP100, Manufacturer=STMicroelectronics, HelpURL=https://lcsc.com/product-detail/ST-Microelectronics_STMicroelectronics_STM32F427VIT6_STM32F427VIT6_C57097.html, Part number=STM32F427VIT6
U5: Manufacturer=meas-spec, HelpURL=https://www.digikey.com/product-detail/en/te-connectivity-measurement-specialties/MS560702BA03-50/223-1198-1-ND/4700921, Part number=MS5607-02BA
U6: library part mpu9250, "IMU ACCEL/GYRO/MAG I2C/SPI 24QFN", Component package="QFN24 3x3", Manufacturer="TDK InvenSense", HelpURL=https://www.digikey.com/product-detail/en/tdk-invensense/MPU-9250/1428-1019-1-ND/4626450, Part number=MPU-9250
U7: "Microprocessor & Microcontroller Supervisors Microprocessor Supervisory Active Low 2.93V SOT-23(SOT-23-3)", Component package=SOT23-3, Manufacturer=SGMICRO, HelpURL=https://lcsc.com/product-detail/Microprocessor-Microcontroller-Supervisors_SGM809-SXN3L-TR_C49651.html, Part number=SGM809-SXN3L/TR
U8: "74 Series SPST-NC 2 1.65V ~ 5.5V VSSOP-8_2x2.3x05P", Component package=VSSOP-8, Manufacturer="Texas Instruments", HelpURL=https://lcsc.com/product-detail/Gates-and-Inverters_Texas-Instruments-Texas-Instruments-SN74LVC2G86DCUR_C507252.html, Part number=SN74LVC2G86DCUR
U9: "Level Translators, Shifters VQFN-20", Component package=VQFN-20, Manufacturer="Texas Instruments", HelpURL=https://lcsc.com/product-detail/Logic-ICs_Texas-Instruments_TXS0108ERGYR_Texas-Instruments-TI-TXS0108ERGYR_C90706.html, Part number=TXS0108ERGYR
U10: library part "MicroSD socket", "microSD™ Memory Card 8 connector 11.25x11.35x1.32mm Card Sockets Connector", Component package=1.25x11.35x1.32mm, Manufacturer=XUNPU, HelpURL=https://lcsc.com/product-detail/Card-Sockets-Connectors_XUNPU-TF-110_C266613.html, Part number=TF-110
U11: library part "USB type C", "USB - Type C Receptacle 12 SMD USB Connector", Manufacturer="Jing Extension of the Electronic Co.", HelpURL=https://lcsc.com/product-detail/USB-Connectors_Jing-Extension-of-the-Electronic-Co-C167321_C167321.html, Part number=C167321
U12 U14: library part "JST-GH 6", "Wire To Board / Wire To Wire Connector SMD", Manufacturer="JST Sales America", HelpURL=https://lcsc.com/product-detail/Wire-To-Board-Wire-To-Wire-Connector_JST-Sales-America_SM06B-GHS-TB-LF-SN_JST-Sales-America-SM06B-GHS-TB-LF-SN_C133065.html, Part number=SM06B-GHS-TB(LF)(SN)
U13: library part "JST-GH 4", "GH Header Outer Shroud Contact 0.049\"(1.25mm) 4 SMD,P=1.25mm Wire To Board / Wire To Wire Connector", Component package="socket P=1.25mm", Manufacturer="JST Sales America", HelpURL=https://lcsc.com/product-detail/Wire-To-Board-Wire-To-Wire-Connector_JST-Sales-America_SM04B-GHS-TB-LF-SN_JST-Sales-America-SM04B-GHS-TB-LF-SN_C189895.html, Part number=SM04B-GHS-TB(LF)(SN)
U15 U16 U18: library part "JST-GH 4", "Wire To Board / Wire To Wire Connector socket P=1.25mm", Component package="socket P=1.25mm", Manufacturer="JST Sales America", HelpURL=https://lcsc.com/product-detail/Wire-To-Board-Wire-To-Wire-Connector_JST-Sales-America_SM04B-GHS-TB-LF-SN_JST-Sales-America-SM04B-GHS-TB-LF-SN_C189895.html, Part number=SM04B-GHS-TB(LF)(SN)
U17: library part "3x6 dupont pins", Part number="2.54 pins array", HelpURL=https://ru.aliexpress.com/item/32702387665.html?spm=a2g0s.9042311.0.0.274233edguG5tO
X1: library part "Crystal oscillator", "SMD Crystal Resonators 24MHz ±10ppm SMD-2520_4P", Component package=SMD-2520_4P, Manufacturer="SHENZHEN CRYSTAL TECH", HelpURL=https://lcsc.com/product-detail/SMD-Crystal-Resonators_SHENZHEN-CRYSTAL-TECH-7E24000E12UCG_C252262.html, Part number=7E24000E12UCG

## Free pads (board coordinates)
  rrect30% 0.8x0.8 smd paste-1: 1(15.1,34.4) 1(16.375,34.4)
  rrect30% 0.6x0.6 smd paste-1: 1(25.9,34.45) 1(26.675,34.45) 1(27.475,34.45) 1(28.275,34.45) 1(29.075,34.45)
  round 4.4 hole 3.2: M3(2.279,2.247) M3(2.279,32.747) M3(32.779,2.247) M3(32.779,32.747)

## Via types
v1: diameter 0.45, hole 0.25, Top Layer to Bottom Layer, tented both sides, 262 vias
v2: diameter 0.45, hole 0.25, Top Layer to Bottom Layer, tented bottom, 6 vias
v3: diameter 0.6, hole 0.45, Top Layer to Bottom Layer, tented both sides, 2 vias
v4: diameter 0.8, hole 0.6, Top Layer to Bottom Layer, tented both sides, 1 vias
v5: diameter 0.6, hole 0.35, Top Layer to Bottom Layer, tented both sides, 1 vias
v6: diameter 0.6, hole 0.4, Top Layer to Bottom Layer, tented both sides, 1 vias

## Nets (pads, with @x,y where several pads share a name; then routed paths per layer and width w, separated by ;. In a path a pad name is that pad's centre, name@x,y a point inside that pad or via, vN(x,y) a via of type N, cw(c..) or ccw(c..) an arc to the next point about the centre after c; other vN are vias at no path point)
3.3v: C1.2 C2.1 C3.1 C8.2 C9.2 C10.2 C11.2 C12.2 C13.2 C29.2 C31.1 C34.2 C35.2 C36.1 C37.1 L2.2 LED2.3 pad.1@15.1,34.4 pad.1@25.9,34.45 R1.1 R2.1 R3.1 R16.1 R17.1 R18.1 R19.1 R20.1 U1.5 U2.3 U2.7 U2.8 U4.6 U4.11 U4.19 U4.28 U4.50 U4.75 U4.100 U7.3 U8.8 U9.2 U9.10 U9.19 U10.4 | length 169.1
  Top Layer w0.2: R2.1@6.3,29.725 R3.1@7.3,29.725 v1(7.3,30.4) ; v1(6.8,18.8) 6.8,19.175 7.075,19.45 7.5,19.45 L2.2@7.5,19.5 ; v1(8.2,21.8) 8.2,21.6 8.475,21.325 C13.2@9,21.325 9.575,21.325 9.9,21 U4.19@10.65,21 U4.19@10.7,21 ; v1(8.6,27.5) C31.1@9.325,27.5 ; C31.1@9.375,27.5 U4.6@10.65,27.5 U4.6@10.7,27.5 ; C8.2@9.5,26.4 C8.2@9.5,26.5 ; C31.1@9.525,27.475 9.525,26.525 C8.2@9.5,26.5 ; U4.11@10.7,25 U4.11@10.65,25 10,25 9.6,25.4 9.6,26.4 C8.2@9.5,26.5 ; U4.100@12.5,31.8 C12.2@12.5,33.1 v1(12.5,33.8) ; v1@12.6,14.025 C9.2@12.6,14.725 13.025,14.725 13.5,15.2 U4.28@13.5,16.15 U4.28@13.5,16.2 ; v1(15.1,33.7) pad.1@15.1,34.4 ; v1(17.625,34.45) R19.1@18.4,34.45 R20.1@19.55,34.45 ; v1(20.275,33.9) 20.323,33.852 20.548,33.852 C35.2@20.875,33.525 ; v1@20.375,11.55 v1(20.4,11.55) 21.145,11.55 U9.10@21.147,11.552 ; C35.2@21,33.5 21.532,33.5 21.657,33.375 v1(21.725,33.375) ; R16.1@22.475,34.45 R17.1@23.45,34.45 R18.1@24.475,34.45 v1(25.225,34.45) pad.1@25.925,34.45 ; U4.50@24.5,16.1 24.5,15.4 24.9,15 C11.2@25.525,15 v1(26.975,15) ; U9.19@25.047,9.152 26.348,9.152 C36.1@26.4,9.1 ; U9.2@25.048,12.452 26.348,12.452 C37.1@26.4,12.4 ; C36.1@26.4,9.15 v1(27.2,9.15) ; C37.1@26.4,12.45 C37.1@26.525,12.45 27.198,12.45 v1(27.2,12.448) ; U4.75@26.7,30 27.4,30 27.7,30.3 C10.2@27.7,30.7 v1(28.4,30.7) ; v1(34.45,15.55) LED2.3@34.45,16.225
  Signal Layer 1 w0.2: v1(14.6,19.3) 16.35,17.55 16.35,17.05 18.4,15 19.225,15 ; v1@20.4,11.575 20.4,13.825 19.225,15 ; v1(26.975,15) 24.65,15 ; v1@27.175,9.15 26.7,9.625 26.7,12.95 ; v1@27.2,12.45 26.7,12.95 ; 19.225,15 v1(22.8,15) 24.65,15 ; 24.65,15 26.7,12.95
  Inner Layer 2 w0.2: v1(6.8,18.8) 7.7,19.7 14.175,19.7 v1@14.575,19.3 ; v1(7.3,30.4) 8.05,29.65 8.05,28.05 v1(8.6,27.5) ; v1(7.45,24.15) 7.45,23.525 9.975,21 ; v1(8.2,21.8) 9,21 9.975,21 ; 8.6,22.4 v1(8.6,27.5) ; 9.725,28.6 v1(13.95,28.6) ; v1(12.5,33.8) 11.2,32.5 11.2,30.1 ; v1(12.6,14) 12.6,17.325 v1@14.575,19.3 ; v1(17.625,34.45) 17.604,34.429 17.304,34.429 16.775,33.9 ; 21.175,33.9 v1(20.275,33.9) 16.775,33.9 ; 21.2,33.9 24.675,33.9 v1(25.225,34.45) ; v1(25.375,22.3) 26.1,23.025 26.1,24.7 25.8,25 ; v1(28.4,30.7) 28.4,30.1 25.8,27.5 25.8,25 ; v1(8.6,27.5) 11.2,30.1 ; 9.975,21 12.9,21 v1(14.6,19.3) ; 11.2,30.1 14.8,33.7 v1(15.1,33.7) 15.3,33.9 16.775,33.9 ; v1@14.575,19.3 v1(14.6,19.3) ; v1(14.6,19.3) 20.1,19.3 25.8,25
  Bottom Layer w0.2: v1(7.45,24.15) 7.792,24.492 8.292,24.492 C34.2@8.3,24.5 ; C34.2@8.275,24.5 C34.2@8.3,24.5 ; U8.8@9.3,24.5 C34.2@8.3,24.5 ; R1.1@13.8,18.425 C2.1@13.8,19.3 ; U7.3@13.95,26.575 C29.2@13.95,27.825 v1(13.95,28.6) ; U10.4@21.725,32.375 v1(21.725,33.375) ; v1(22.8,15) 22.808,15 23.033,14.775 C1.2@23.45,14.775 23.475,14.775 23.45,14.8 U2.8@23.45,16.225 ; U2.8@23.455,16.225 U2.7@24.725,16.225 ; v1(25.375,22.3) 25.423,22.252 25.498,22.252 25.825,21.925 25.845,21.925 26,21.77 U2.3@26,21.75 ; v1(26.975,15) 31.15,15 31.7,15.55 v1(34.45,15.55)
  Bottom Layer w0.25: U1.5@11.7,19.3 C3.1@12.8,19.3 C2.1@13.8,19.3 v1(14.6,19.3)
"3.3v analog": C14.1 L2.1 U4.21 U4.22 | length 3.7
  Top Layer w0.2: L2.1@8.4,19.6 8.425,19.575 C14.1@9.25,19.575 9.925,19.575 10,19.5 U4.22@10.65,19.5 U4.22@10.7,19.5 ; C14.1@9.45,19.625 9.45,19.675 9.5,19.675 9.825,20 U4.21@10.65,20